# Altium PCB HYDRA_V4_NAV.PcbDoc (part 1 of 2) (continued)
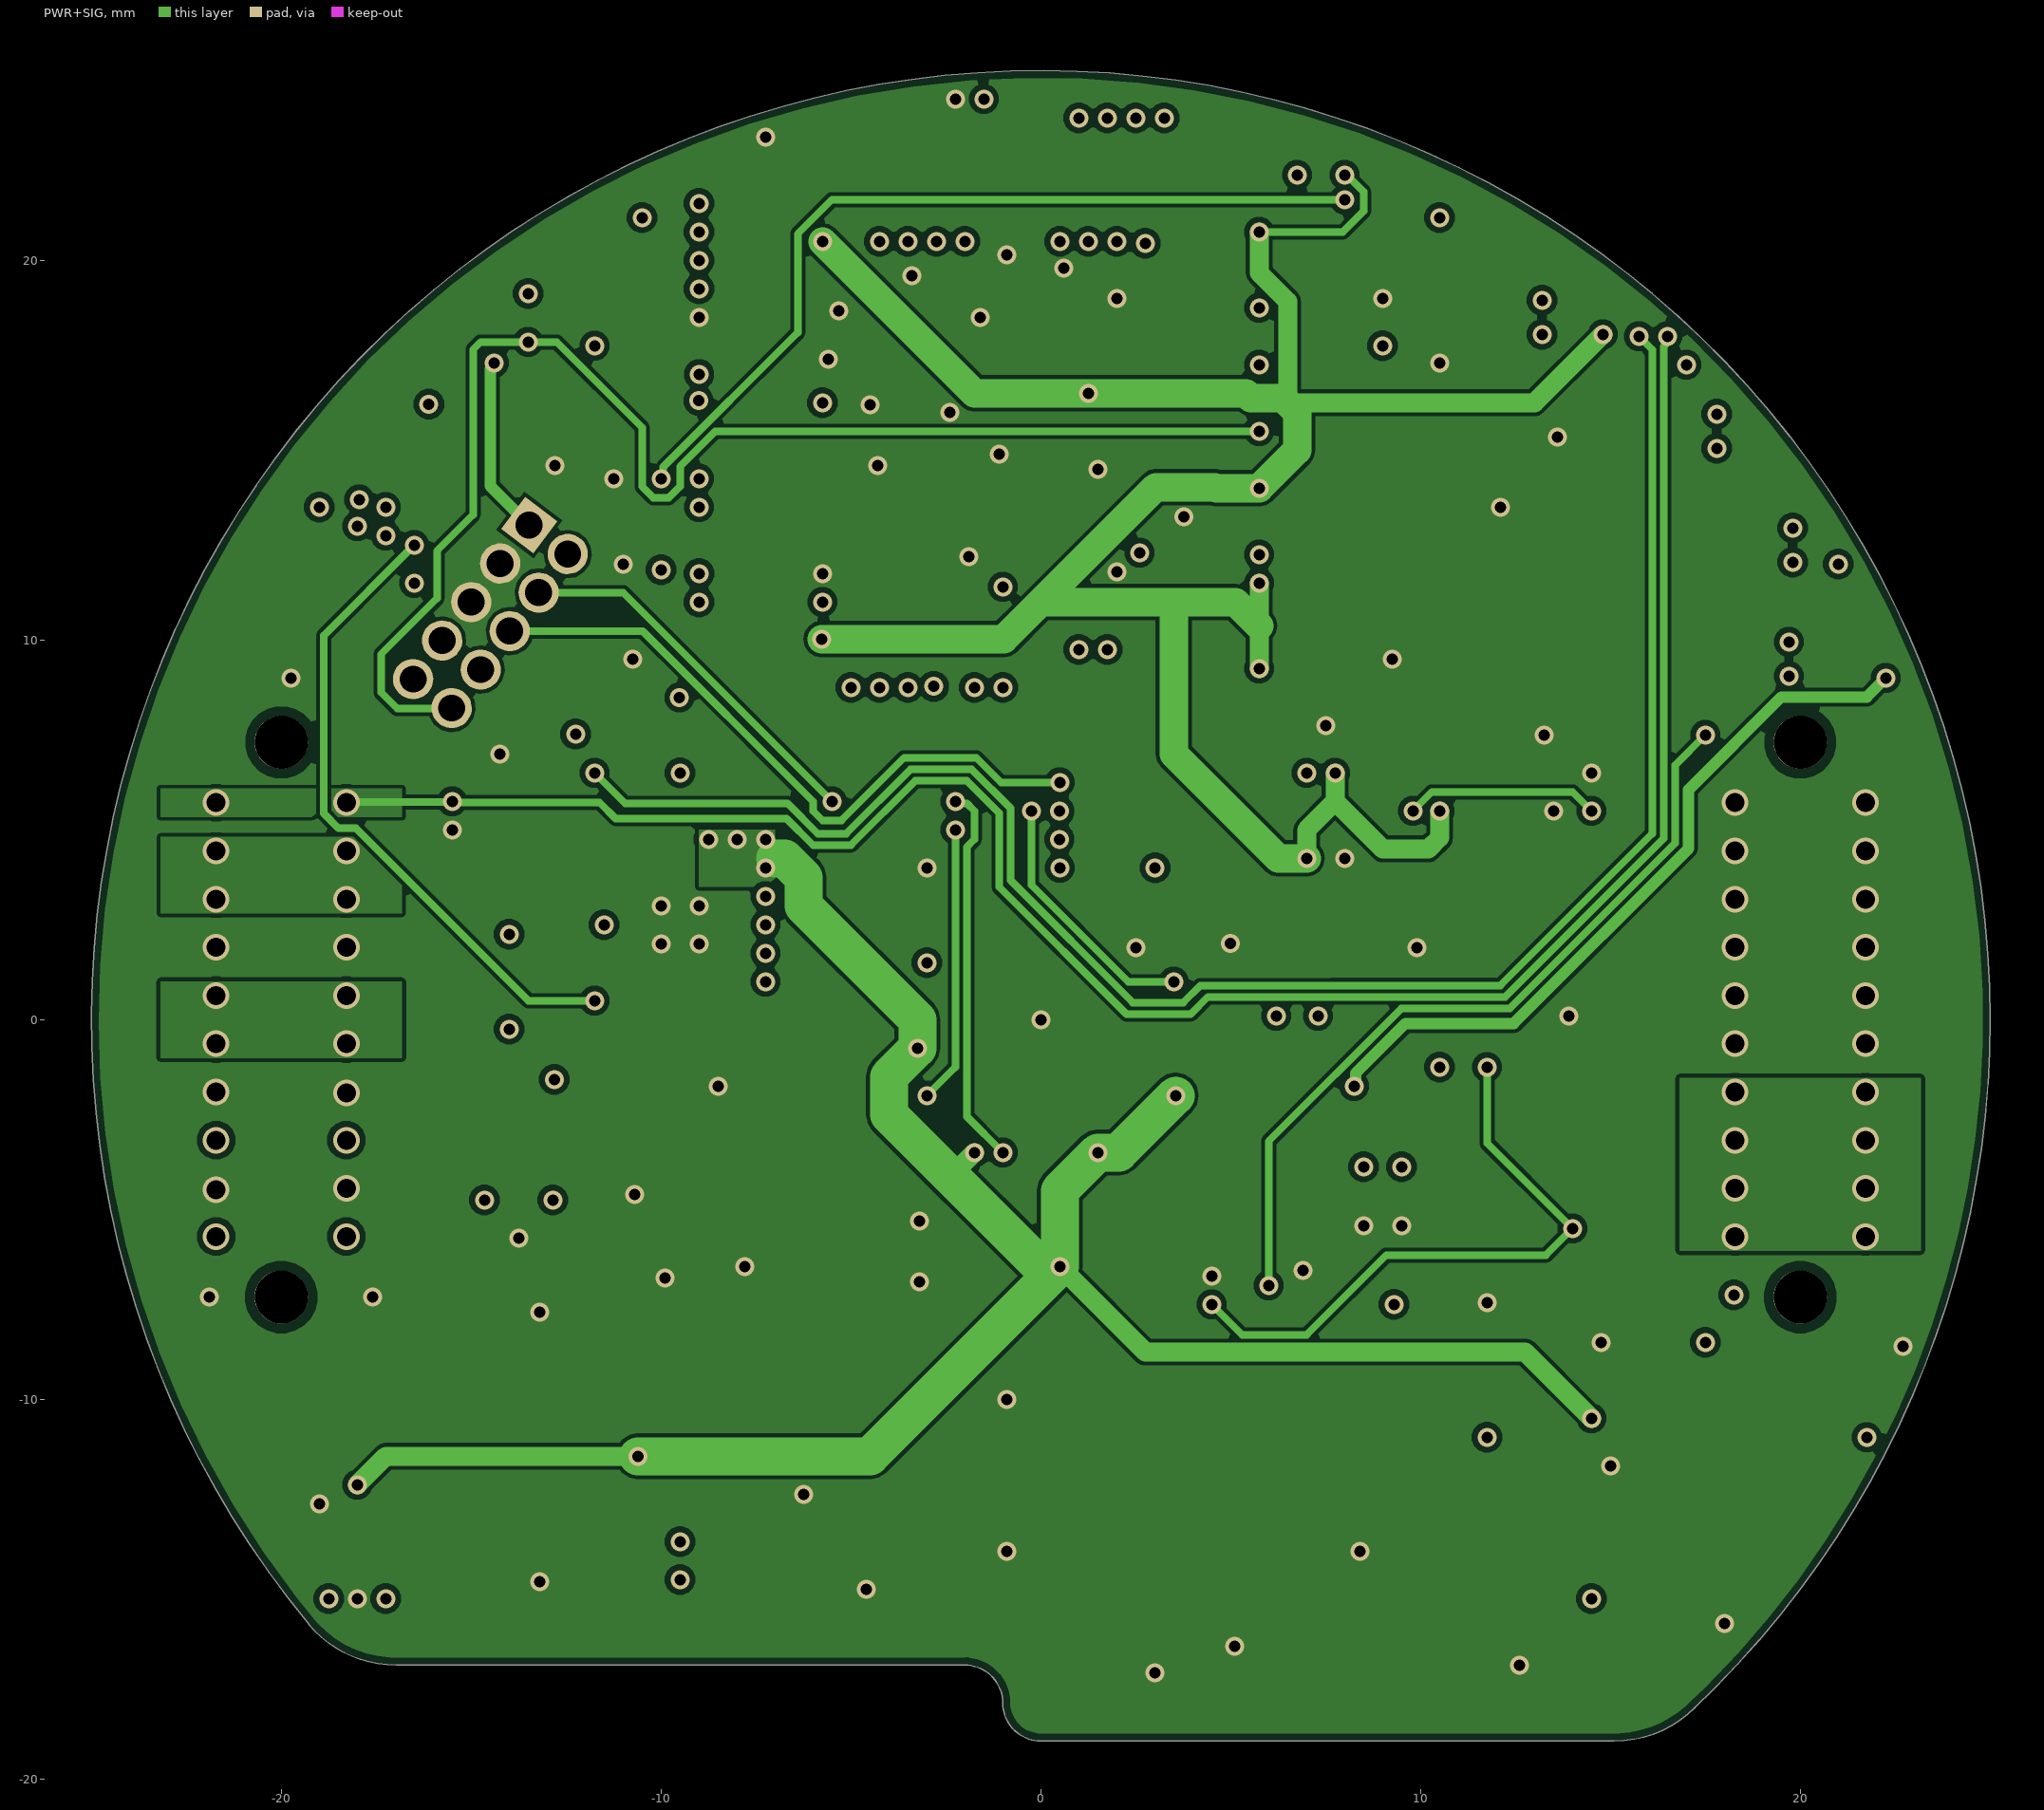
[diagram p3: PWR+SIG]
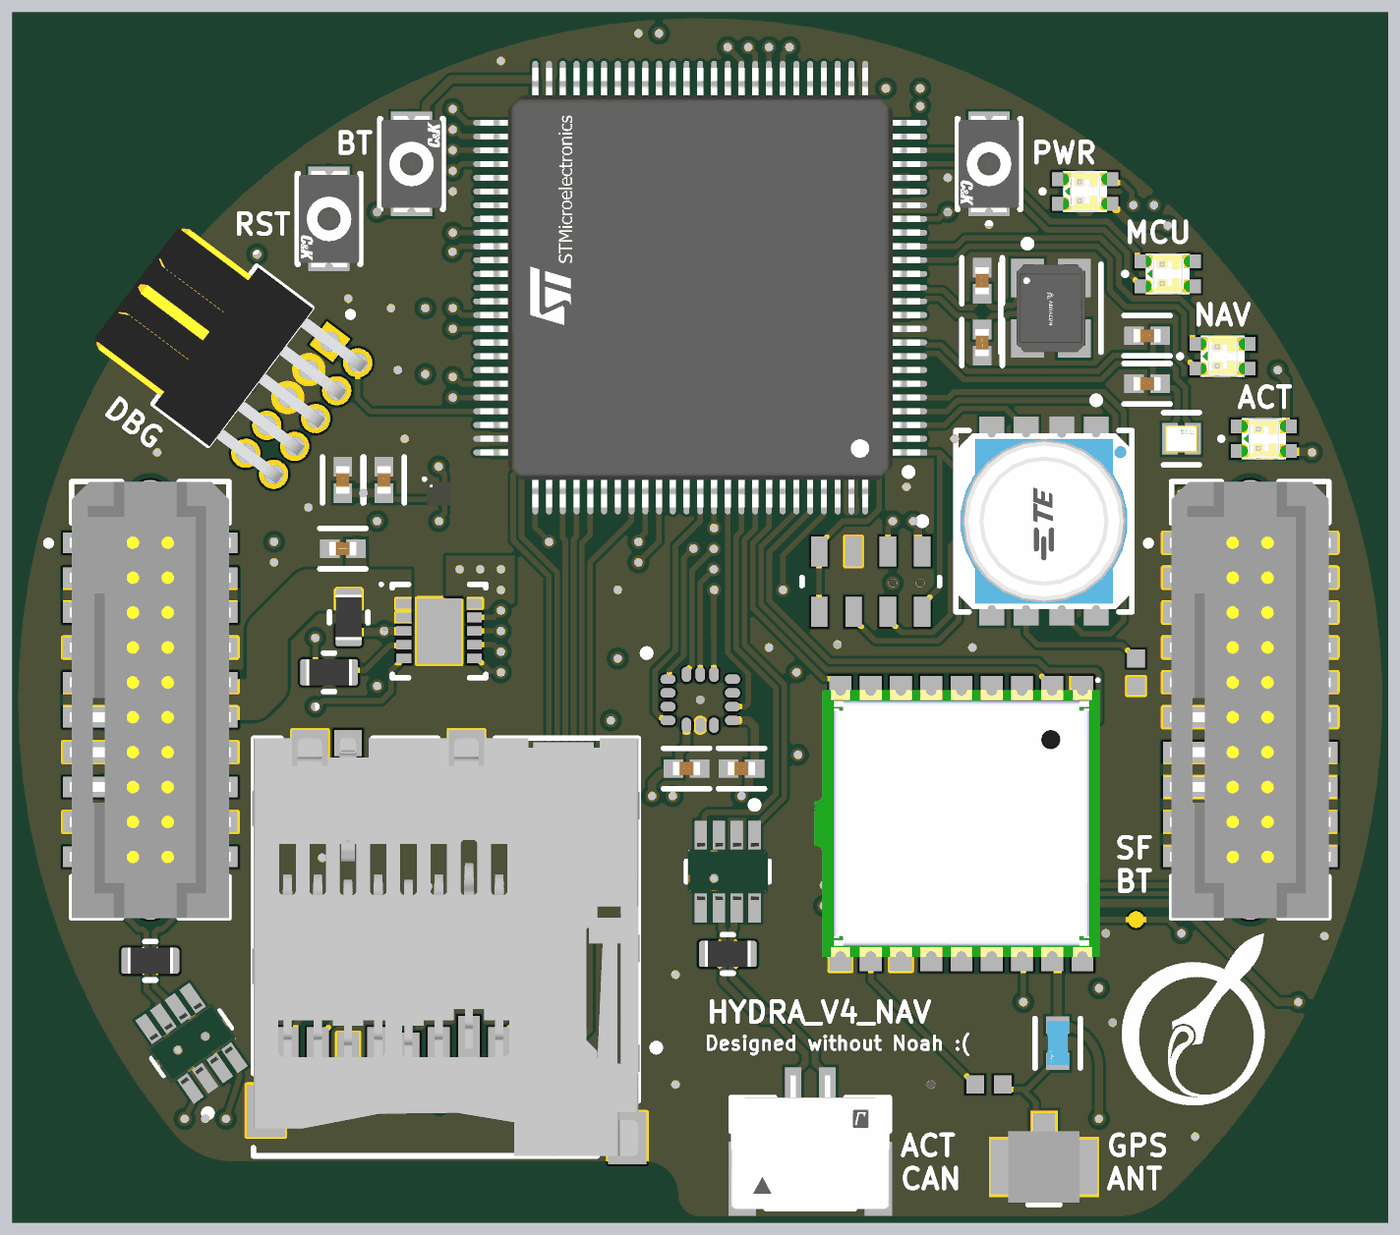
[diagram p5: 3D render of the assembled board from above, using the file's embedded part models]
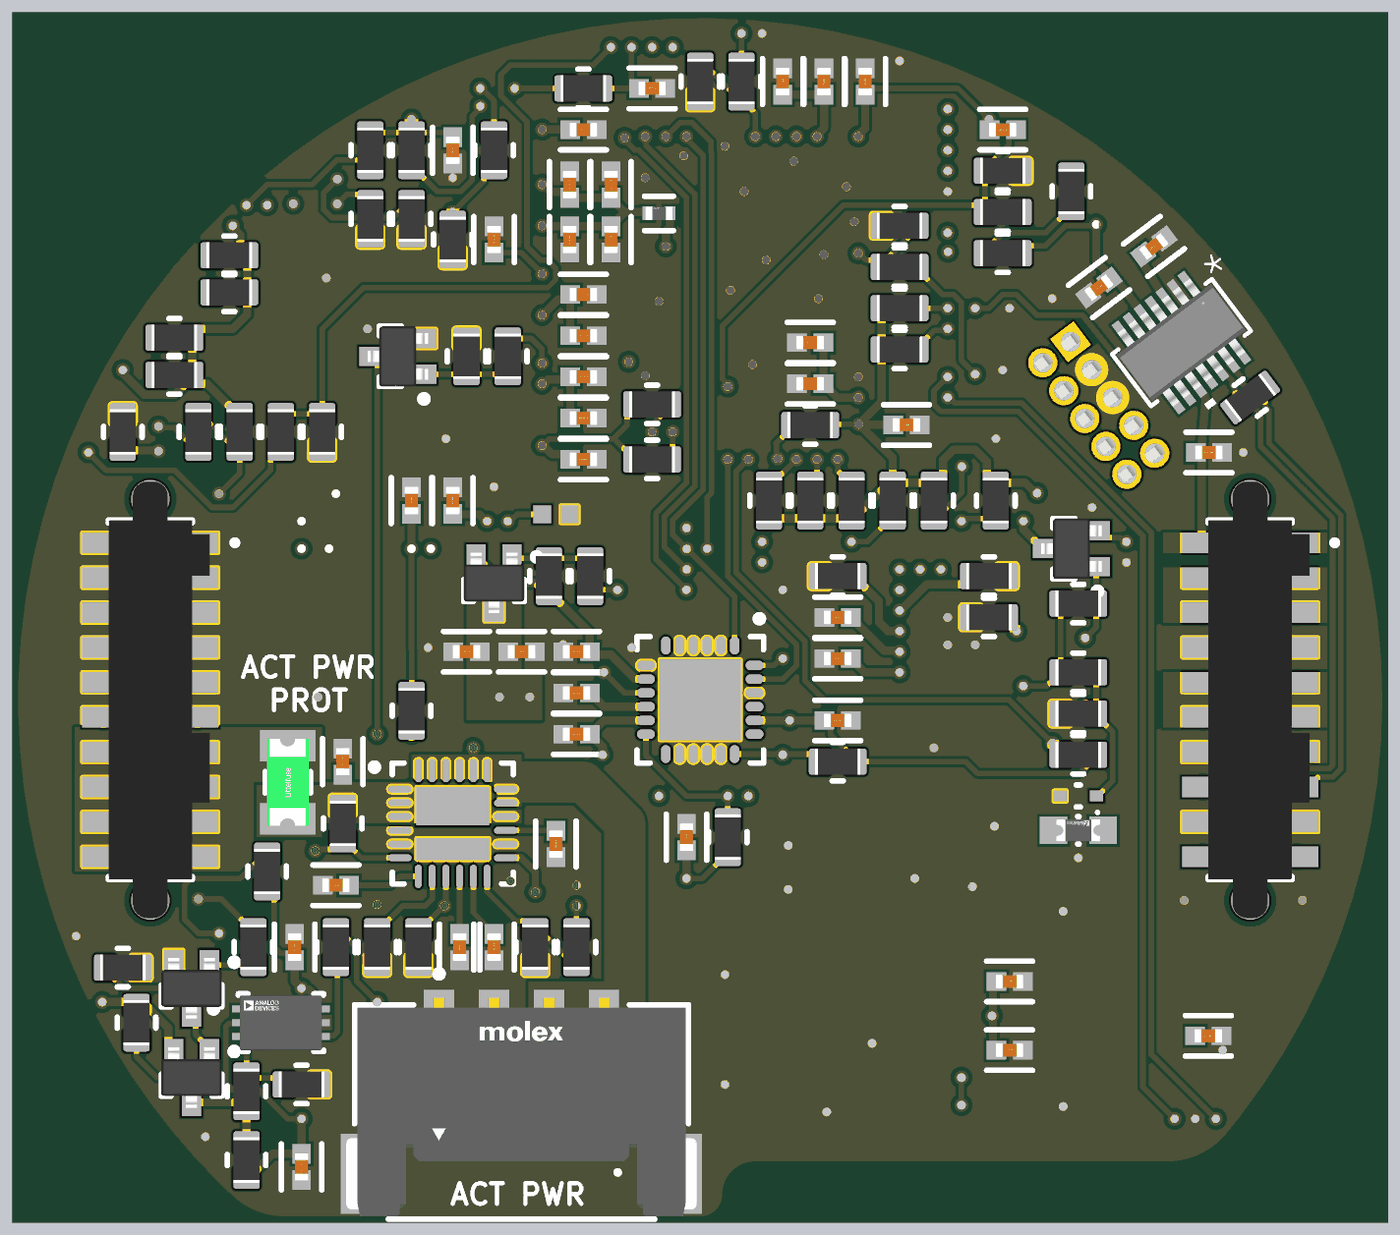
[diagram p6: 3D render of the assembled board from below, using the file's embedded part models]

## Layer stack, top to bottom
Top Solder: solder mask 0.0127, Solder Resist, Dk 3.8
TOP SIG: signal copper 0.035
Dielectric 1: prepreg 0.2104, 7628, Dk 4.6
GND: signal copper 0.0152
Core: core 1.065, FR-4, Dk 4.5
PWR+SIG: signal copper 0.0152
Dielectric 2: prepreg 0.2104, 7628, Dk 4.6
BOTTOM SIG: signal copper 0.035
Bottom Solder: solder mask 0.0127, Solder Resist, Dk 3.8

## Board outline
-16.98,-17 -1.95,-17 -2,-17 cw(c-2,-18) -1,-18 ccw(c0,-18) 0,-19 15.1,-19 ccw(c15.1,-16) 17.221,-18.121 17.166,-18.175 ccw(c0,0) 25,0 ccw(c0,0) -19.273,-15.924 -19.278,-15.928 ccw(c-16.98,-14)

## Design rules (kind name [scope] priority, off if disabled: settings)
BoardOutlineClearance [All] p1: gap=0.2 ignorepadtopadclearanceinfootprint=FALSE
Clearance [All] p1: gap=0.102 ignorepadtopadclearanceinfootprint=FALSE except(0.127: Arc-Via Track-Via SMDPad-Via THPad-Via Via-Via Via-Fill Via-Poly Via-Region Via-Text; 0.25: Arc-Hole Track-Hole SMDPad-Hole THPad-Hole Via-Hole Fill-Hole Poly-Hole Region-Hole Text-Hole)
ComponentClearance [All] p1: gap=0.102 collisioncheckmode=3 verticalgap=0.102 showdistances=TRUE
DiffPairsRouting [All] p1: maxlimit=0.102 minlimit=0.102 mostfreqgap=0.102 toplayer_minwidth=0.102 toplayer_maxwidth=1816.048 toplayer_prefwidth=0.102 midlayer1_minwidth=0.102 midlayer1_maxwidth=1816.048 midlayer1_prefwidth=0.102 midlayer2_minwidth=0.102 midlayer2_maxwidth=1816.048 midlayer2_prefwidth=0.102 bottomlayer_minwidth=0.102 bottomlayer_maxwidth=1816.048 bottomlayer_prefwidth=0.102 maxuncoupledlength=12.7
Height [All] p1: minheight=0 maxheight=1816.048 prefheight=12.7
HoleSize [All] p1: absolutevalues=TRUE maxlimit=6.3 minlimit=0.2 maxpercent=80.000 minpercent=20.000
HoleToHoleClearance [All] p1: gap=0.25 allowstackedmicrovias=FALSE
MinimumAnnularRing [All] p1: minimumring=0.076
MinimumSolderMaskSliver [All] p1: minsoldermaskwidth=0
PlaneClearance [All] p1: clearance=0.102
PlaneConnect PlaneConnectPowerPads [InPadClass('PowerPads')] p1: planeconnectstyle=Direct reliefexpansion=0.508 reliefentries=4 reliefconductorwidth=0.254 reliefairgap=0.254
PlaneConnect [All] p2: pad.planeconnectstyle=Relief pad.reliefexpansion=0.3 pad.reliefentries=4 pad.reliefconductorwidth=0.102 pad.reliefairgap=0.102 via.planeconnectstyle=Direct via.reliefexpansion=0.3 via.reliefentries=4 via.reliefconductorwidth=0.127 via.reliefairgap=0.127
PolygonConnect PolygonConnectPowerPads [All vs (InPadClass('PowerPads'))] p1: connectstyle=Direct reliefconductorwidth=0.254 reliefentries=4 polygonreliefangle="90 Angle" airgapwidth=0.254
PolygonConnect [All] p2: thpad.connectstyle=Relief thpad.reliefconductorwidth=0.102 thpad.reliefentries=4 thpad.polygonreliefangle="90 Angle" thpad.airgapwidth=0.102 smdpad.connectstyle=Direct smdpad.reliefconductorwidth=0.102 smdpad.reliefentries=4 smdpad.polygonreliefangle="90 Angle" smdpad.airgapwidth=0.102 via.connectstyle=Direct via.reliefconductorwidth=0.127 via.reliefentries=4 via.polygonreliefangle="90 Angle" via.airgapwidth=0.127
RoutingVias [All] p1: holewidth=0.2 width=0.45 viastyle="Through Hole" minholewidth=0.2 minwidth=0.45 maxholewidth=6.3 maxwidth=6.55
SilkToSilkClearance [All] p1: silktosilkclearance=0
SilkToSolderMaskClearance [IsPad] p1: minsilkscreentomaskgap=0.102 clearancetoexposedcopper=TRUE
SolderMaskExpansion [All] p1: expansion=0.075 istentingtop=FALSE
Width [All] p1: maxlimit=1816.048 minlimit=0.102 preferedwidth=0.102
Width Width_50SINGLE [InNetClass('50SINGLE')] p2: maxlimit=0.355 minlimit=0.264 preferedwidth=0.355 toplayer_minwidth=0.355 midlayer1_maxwidth=0.264 midlayer1_prefwidth=0.264 midlayer2_maxwidth=0.264 midlayer2_prefwidth=0.264 bottomlayer_minwidth=0.355 impedanceprofiledriven=TRUE impedanceprofileid={61503230-CAF7-4D86-9F86-0761DBFA93B6} impedanceprofilevalue=50.000000 minimp=50.000000 maximp=50.000000 favimp=50.000000
20 further rules are at their usual default settings.

## Classes and differential pairs
pad class PowerPads: J6-03 J6-05
channel class TCAN330_PINOUT: FDCAN_1 FDCAN_2
net class CAN: CAN1_N CAN1_P CAN2_N CAN2_P
component class FDCAN_2: C2_FDCAN_2 R3_FDCAN_2 U2_FDCAN_2
component class FDCAN_1: C2_FDCAN_1 R3_FDCAN_1 U2_FDCAN_1
component class FDCAN_0: C22 C23 C24 C25 R5 R6 R7 SW1 U6
net class 50SINGLE: NetJ7_1
differential pair class CAN: CAN0
component class SD_0: C36 C37 R23 R24 R31 R32 R33 R34 R35 SD1
component class PWR_PROT_1: C1 C51 C52 C53 C54 C55 D5 F1 Q2 R19 R51 R52 R53 R54 R55 R56 R57 R58 R59 R60 R61 R62 U14
component class IMU_0: C34 C42 C43 C44 C45 C46 C47 C48 C49 C50 R46 R47 R48 R49 R50 R63 R64 R82 U4 U8 U9 U10 U11
component class GPS_0: C38 C39 C40 C41 J7 L1 Q8 Q9 Q10 R17 R37 R38 R39 R40 R41 R42 R43 R44 R45 R65 R66 TP13 U12 U13
component class PWR_PROT_0: C15 C16 C35 D1 D3 Q17 R4 R8 R9 R11 R12 R13 R14 R15 R18 R20 R21 R36 R67 R68 U3
component class MCU_0: C3 C4 C5 C7 C8 C9 C10 C11 C12 C13 C14 C17 C18 C19 C20 C21 C28 C29 C30 C31 C32 C33 FB1 J6 R1 R2 R26 R27 R29 SW2 SW3 U1 Y2 Y3
component class HYDRA_V4_NAV: D2 D4 F2 J1 J2 J3 J4 J5 J8 R10 R16 R22 R25 R28 R30
differential pair X: +X_P -X_N
differential pair X32: +X32_P -X32_N
differential pair CAN2: +CAN2_P -CAN2_N
differential pair CAN1: +CAN1_P -CAN1_N
differential pair CAN0: +CAN0_P -CAN0_N

## Components (designator, comment, footprint, x,y, rotation, side; value= is the part's Value field where it differs from the comment)
C1 "100n" FP-0402-L_1_0_0_05-W_0_5-IPC_A 1.75,22.25 r180 bottom
C2_FDCAN_1 "100n" FP-0402-L_1_0_0_05-W_0_5-IPC_A -18.479,-12.229 r180 bottom (schematic designator C2)
C2_FDCAN_2 "100n" FP-0402-L_1_0_0_05-W_0_5-IPC_A 0.5,-5 r90 bottom (schematic designator C2)
C3 "100n" FP-0402-L_1_0_0_05-W_0_5-IPC_A 4.25,14.75 r180 bottom
C4 "100n" FP-0402-L_1_0_0_05-W_0_5-IPC_A 4.25,13.25 r180 bottom
C5 "100n" FP-0402-L_1_0_0_05-W_0_5-IPC_A 4.25,20.75 r180 bottom
C7 "100n" FP-0402-L_1_0_0_05-W_0_5-IPC_A -6,22.5 r90 bottom
C8 "100n" FP-0402-L_1_0_0_05-W_0_5-IPC_A -7.5,10 r180 bottom
C9 "100n" FP-0402-L_1_0_0_05-W_0_5-IPC_A 4.25,8.75 r180 bottom
C10 "1u" FP-0402-L_1_0_0_05-W_0_5-IPC_A 3.25,18.75 r90 bottom
C11 "100n" FP-0402-L_1_0_0_05-W_0_5-IPC_A 4.75,18.75 r90 bottom
C12 "2.2u" FP-0402-L_1_0_0_05-W_0_5-IPC_A -3,22.5 r90 bottom
C13 "100n" FP-0402-L_1_0_0_05-W_0_5-IPC_A -4.5,22.5 r90 bottom
C14 "2.2u" FP-0402-L_1_0_0_05-W_0_5-IPC_A -4,13 r0 bottom
C15 "100n" FP-0402-L_1_0_0_05-W_0_5-IPC_A -13,5.5 r180 top
C16 "100n" FP-0402-L_1_0_0_05-W_0_5-IPC_A -5,3 r0 bottom
C17 "100n" FP-0402-L_1_0_0_05-W_0_5-IPC_A -4,11.5 r0 bottom
C18 "1u" FP-0402-L_1_0_0_05-W_0_5-IPC_A 4.25,10.25 r180 bottom
C19 "100n" FP-0402-L_1_0_0_05-W_0_5-IPC_A 4.25,11.75 r180 bottom
C20 "1u" FP-0402-L_1_0_0_05-W_0_5-IPC_A 3.25,16.75 r270 bottom
C21 "100n" FP-0402-L_1_0_0_05-W_0_5-IPC_A 4.75,16.75 r270 bottom
C22 "100n" FP-0402-L_1_0_0_05-W_0_5-IPC_A -16.5,16.5 r143 bottom locked
C23 "100n" FP-0402-L_1_0_0_05-W_0_5-IPC_A -14.5,15 r323 bottom locked
C24 "100n" FP-0402-L_1_0_0_05-W_0_5-IPC_A -18.5,9 r180 bottom
C25 "100n" FP-0402-L_1_0_0_05-W_0_5-IPC_A 9,20 r270 bottom
C28 "30p" FP-0402-L_1_0_0_05-W_0_5-IPC_A 10.25,13 r270 top
C29 "30p" FP-0402-L_1_0_0_05-W_0_5-IPC_A 10.25,15.25 r90 top
C30 "100n" FP-0402-L_1_0_0_05-W_0_5-IPC_A -11,20.75 r0 bottom
C31 "100n" FP-0402-L_1_0_0_05-W_0_5-IPC_A 7.5,16.75 r90 bottom
C32 "18p" FP-0402-L_1_0_0_05-W_0_5-IPC_A 16.25,11.5 r180 top
C33 "18p" FP-0402-L_1_0_0_05-W_0_5-IPC_A 16.25,13.25 r180 top
C34 "100n" FP-0402-L_1_0_0_05-W_0_5-IPC_A 9,7.25 r90 bottom
C35 "TBD" FP-0402-L_1_0_0_05-W_0_5-IPC_A -5,1.5 r0 bottom
C36 "10u" FP-0402-L_1_0_0_05-W_0_5-IPC_A -11.25,-10.25 r180 bottom
C37 "100n" FP-0402-L_1_0_0_05-W_0_5-IPC_A -11.25,-12.75 r180 bottom
C38 "100n" FP-0402-L_1_0_0_05-W_0_5-IPC_A 6.5,1.75 r180 bottom
C39 "10u" FP-0402-L_1_0_0_05-W_0_5-IPC_A 8.5,1.75 r0 bottom
C40 "10n" FP-0402-L_1_0_0_05-W_0_5-IPC_A 14.5,-17 r270 bottom
C41 "100n" FP-0402-L_1_0_0_05-W_0_5-IPC_A 14.75,-9 r90 bottom
C42 "10n" FP-0402-L_1_0_0_05-W_0_5-IPC_A 4.5,1.75 r0 bottom
C43 "10n" FP-0402-L_1_0_0_05-W_0_5-IPC_A -5,-0.75 r180 bottom
C44 "100n" FP-0402-L_1_0_0_05-W_0_5-IPC_A 4.5,-1.25 r0 bottom
C45 "2.2u" FP-0402-L_1_0_0_05-W_0_5-IPC_A -13,8 r90 top
C46 "100n" FP-0402-L_1_0_0_05-W_0_5-IPC_A -11.5,8 r90 top
C47 "100n" FP-0402-L_1_0_0_05-W_0_5-IPC_A 4.5,0.25 r0 bottom
C48 "100n" FP-0402-L_1_0_0_05-W_0_5-IPC_A 10.5,7.25 r90 bottom
C49 "100n" FP-0402-L_1_0_0_05-W_0_5-IPC_A 1.5,-2.5 r180 top
C50 "100n" FP-0402-L_1_0_0_05-W_0_5-IPC_A -0.5,-2.5 r0 top
C51 "100n" FP-0402-L_1_0_0_05-W_0_5-IPC_A 13,-2.25 r90 bottom
C52 "100n" FP-0402-L_1_0_0_05-W_0_5-IPC_A 5.25,-5.25 r270 bottom
C53 "100n" FP-0402-L_1_0_0_05-W_0_5-IPC_A 7.5,-9 r270 bottom
C54 "100n" FP-0402-L_1_0_0_05-W_0_5-IPC_A 8.75,-9 r270 bottom
C55 "100n" FP-0402-L_1_0_0_05-W_0_5-IPC_A 13.25,-6.75 r0 bottom
D1 "150066RG54050" WL-SBCD_0606 14,18.5 r90 top locked
D2 "150066RG54050" WL-SBCD_0606 17,15.5 r90 top locked
D3 "MM5Z3V3T1G" ONSC-SOD-523-2-502-01_V -13.75,-3.5 r0 bottom
D4 "150066RG54050" WL-SBCD_0606 19,12.5 r90 top locked
D5 "150066RG54050" WL-SBCD_0606 20.5,9.5 r90 top locked
F1 "0466005.NR" FP-0466-MFG 15,-3 r270 bottom value=0.011Ω
F2 "0603L010YR" FP-0603L-MFG -13.75,-4.75 r0 bottom value=0.9-6Ω
FB1 "BLM15PX601SN1D" FP-BLM15-0_05-MFG 1.5,17.7 r0 bottom
J1 "SFML-110-02-L-D-A" SFML-110-02-L-D-A-Footprint-1 -20,0 r270 bottom locked
J2 "SFML-110-02-L-D-A" SFML-110-02-L-D-A-Footprint-1 20,0 r270 bottom locked
J3 "205338-0004" FP-205338-0004-MFG 6.5,-15 r0 bottom
J4 "TFML-110-02-L-D-A" TFML-110-02-L-D-A-Footprint-1 -20,0 r270 top locked
J5 "TFML-110-02-L-D-A" TFML-110-02-L-D-A-Footprint-1 20,0 r270 top locked
J6 "FTSH-105-01-F-D-RA-K" FTSH-105-01-F-D-RA-K-Footprint-1 -15,11 r53 top locked
J7 "U.FL-R-SMT(10)" FP-U_FL-R-SMT_10-MFG 12.5,-17 r0 top
J8 "SM02B-GHS-TB(LF)(SN)" FP-SM02B-GHS-TB_LF_SN-MFG 4,-16.5 r0 top locked
L1 "LQW18AN27NJ00D" FP-LQW18AN_00-MFG 13,-12.5 r270 top
Q2 "BSS138W-7-F" DIOD-SOT323-3_V 11,12.5 r0 bottom
Q8 "DMG1013UW-7" DIOD-SOT323-3_V 7.5,4.25 r270 bottom
Q9 "DMG1013UW-7" DIOD-SOT323-3_V 18.5,-13.75 r270 bottom
Q10 "BSS138W-7-F" DIOD-SOT323-3_V 18.5,-10.5 r270 bottom
Q17 "DMG1013UW-7" DIOD-SOT323-3_V -13.5,5.5 r0 bottom
R1 "100k" R0603B -11,19.25 r180 bottom
R2 "100k" R0603B -7,7.25 r270 bottom
R3_FDCAN_1 "120" R0603B -20,-9.5 r180 top locked (schematic designator R3)
R3_FDCAN_2 "120" R0603B 1,-9.25 r0 top (schematic designator R3)
R4 "1k" R0603B -13.75,1 r0 bottom
R5 "120" R0603B -20,11 r143 bottom
R6 "100k" R0603B 12,20 r270 bottom
R7 "1k" R0603B 10.5,20 r270 bottom
R8 "100k" R0603B -13.75,-0.5 r180 bottom
R9 "1M" R0603B -12.785,3 r270 top
R10 "100k" R0603B -1.5,22.5 r270 bottom
R11 "330" R0603B 12,17.5 r90 bottom
R12 "680k" R0603B -10.5,3 r0 bottom
R13 "68k" R0603B -5,4.5 r0 bottom
R14 "110k" R0603B -10.5,4.5 r180 bottom
R15 "1k" R0603B 10.5,17.5 r90 bottom
R16 "100k" R0603B 0,22.5 r270 bottom
R17 "0402 JUMPER" RESC1005X40X25ML05T05 10.5,-14 r180 top
R18 "1k" R0603B -13.5,1 r0 top
R19 "1M" R0603B 4.25,22.25 r180 bottom
R20 "100k" R0603B -13.75,3.5 r0 bottom
R21 "10k" R0603B 7.5,20 r270 bottom
R22 "330" R0603B 17.125,14.825 r0 bottom
R23 "100k" R0603B -4,10 r0 bottom
R24 "100k" R0603B -2.5,7.25 r90 bottom
R25 "330" R0603B 17.125,16.175 r0 bottom
R26 "330" R0603B -11,17.75 r0 bottom
R27 "330" R0603B -13.5,18.5 r270 bottom
R28 "330" R0603B 19.125,11.825 r0 bottom
R29 "100k" R0603B -11,16.25 r180 bottom
R30 "330" R0603B 19.125,13.175 r0 bottom
R31 "100k" R0603B -7.25,14.25 r180 bottom
R32 "100k" R0603B -7.25,12.75 r180 bottom
R33 "100k" R0603B -5.5,7.25 r90 bottom
R34 "100k" R0603B -4,7.25 r90 bottom
R35 "100k" R0603B -13.75,-2 r0 bottom
R36 "100k" R0603B 9,16.75 r270 bottom
R37 "100k" R0603B 20.5,-11.75 r270 bottom
R38 "10" R0603B 16.5,-16.75 r90 bottom
R39 "1k" R0603B 16.25,-9 r90 bottom
R40 "560" R0603B 16.5,-14.25 r90 bottom
R41 "100k" R0603B 21,-9.75 r180 bottom
R42 "100k" R0603B 14.5,-14 r180 bottom
R43 "100k" R0603B 5.5,4.5 r90 bottom
R44 "1k" R0603B 4,4.5 r270 bottom
R45 "1k" R0603B 13.25,-9 r90 bottom
R46 "100k" R0603B -5,-2.25 r0 bottom
R47 "DNP" R0603B -1,-5 r90 bottom
R48 "0402 JUMPER" RESC1005X40X25ML05T05 15.85,1 r270 top
R49 "100k" R0603B 1.75,10.75 r180 bottom
R50 "DNP" R0603B 1.75,8.75 r180 bottom
R51 "100k" R0603B 15.25,9.75 r90 bottom
R52 "1M" R0603B 13,-4.5 r270 bottom
R53 "10k" R0603B 13.75,9.75 r270 bottom
R54 "100k" R0603B 16.75,9.75 r270 bottom
R55 "1M" R0603B 4.5,-9 r270 bottom
R56 "1M" R0603B 10.25,-9 r270 bottom
R57 "1M" R0603B 6,-9 r270 bottom
R58 "1M" R0603B 11.75,-9 r270 bottom
R59 "1k" R0603B 21,9.75 r90 bottom
R60 "330" R0603B 18.25,9.75 r90 bottom
R61 "1k" R0603B 7,12.5 r270 bottom
R62 "100k" R0603B 8.5,12.5 r90 bottom
R63 "100k" R0603B -10.75,7.25 r270 bottom
R64 "100k" R0603B -8.5,7.25 r270 bottom
R65 "100k" R0603B 10.5,-0.4 r270 bottom
R66 "100k" R0603B 15.75,-6.25 r90 bottom
R67 "100k" R0603B -7.25,15.75 r0 bottom
R68 "24k" R0603B -7.25,17.25 r0 bottom
R82 "0402 JUMPER" RESC1005X40X25ML05T05 5.25,6.75 r0 bottom
SD1 "473521001" MOLX-473521001_V -9.25,-9 r0 top
SW1 "KXT331LHS" FP-KXT331LHS-MFG 10.5,19.5 r270 top locked
SW2 "KXT331LHS" FP-KXT331LHS-MFG -10.5,19.5 r90 top locked
SW3 "KXT331LHS" FP-KXT331LHS-MFG -13.5,17.5 r270 top locked
TP13 "TPAD6R" "New footprint 1" 15.85,-8 r90 top
U1 "STM32H730VBT6" FP-LQFP100-1L-IPC_C 0,15 r180 top
U2_FDCAN_1 "TCAN330GDCNR" FP-DCN0008A-MFG -18.5,-12.5 r125 top (schematic designator U2)
U2_FDCAN_2 "TCAN330GDCNR" FP-DCN0008A-MFG 1,-6.25 r270 top (schematic designator U2)
U3 "TPS16412DRCR" PSON50P300X100_HS-11N -9.5,2.5 r0 top